# Altium PCB work.PcbDoc
Units mil, origin at the board's own origin, x right, y up, seen from the top; angles counter-clockwise.
Board outline 1811.02 x 3858.12 mil, 2 copper layers (Top Layer, Bottom Layer); 92 components, 86 nets, 316 pads, 143 vias.
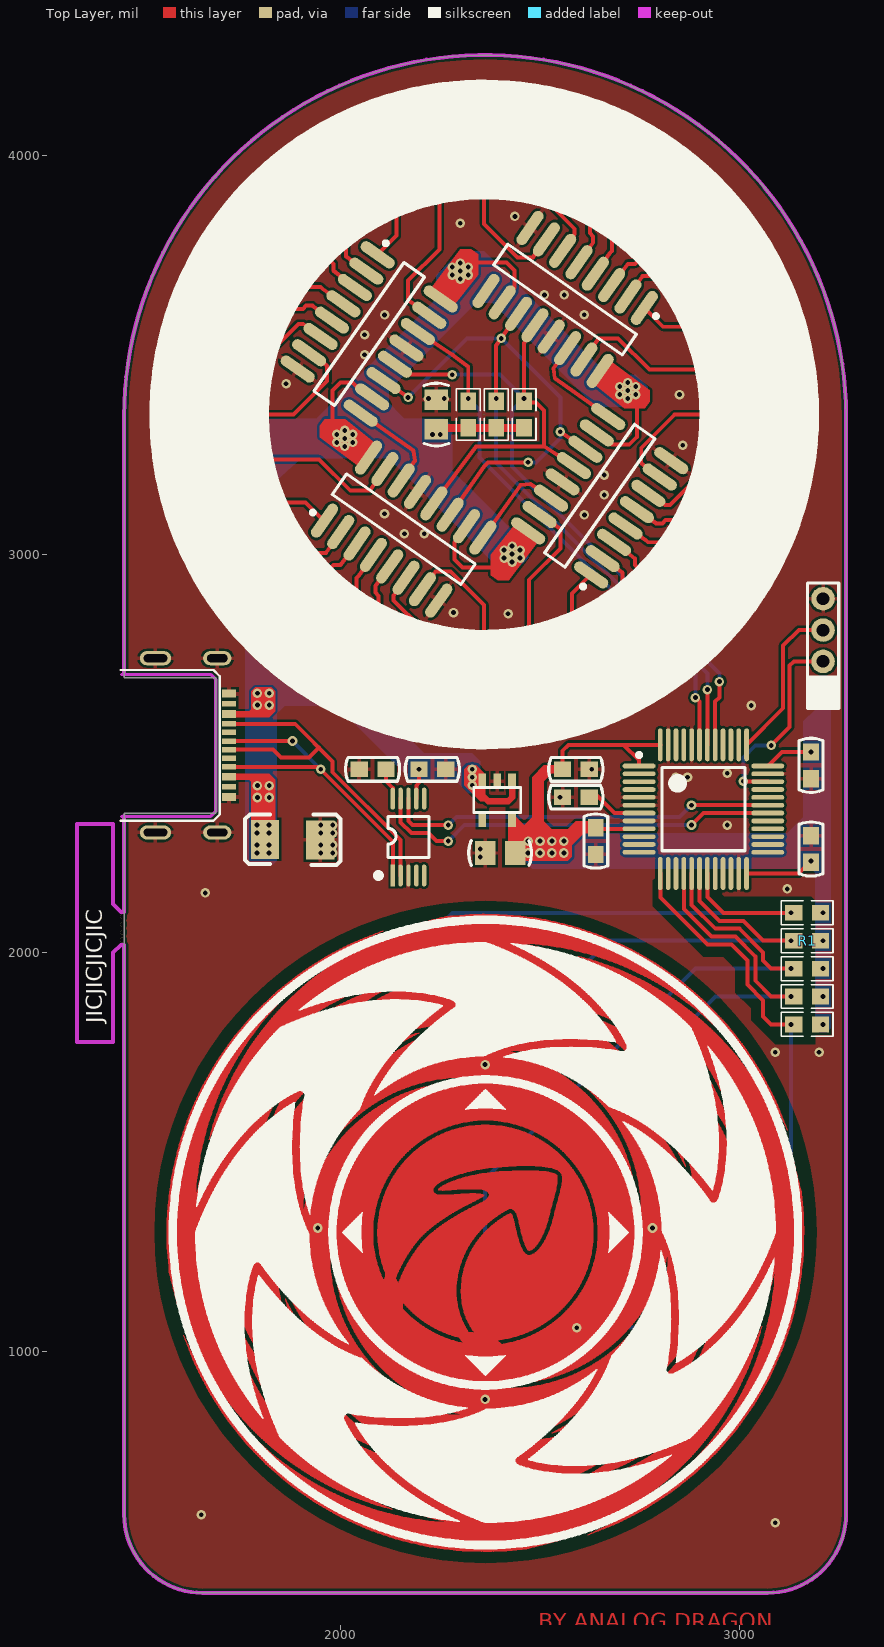
[diagram p0: Top Layer view]
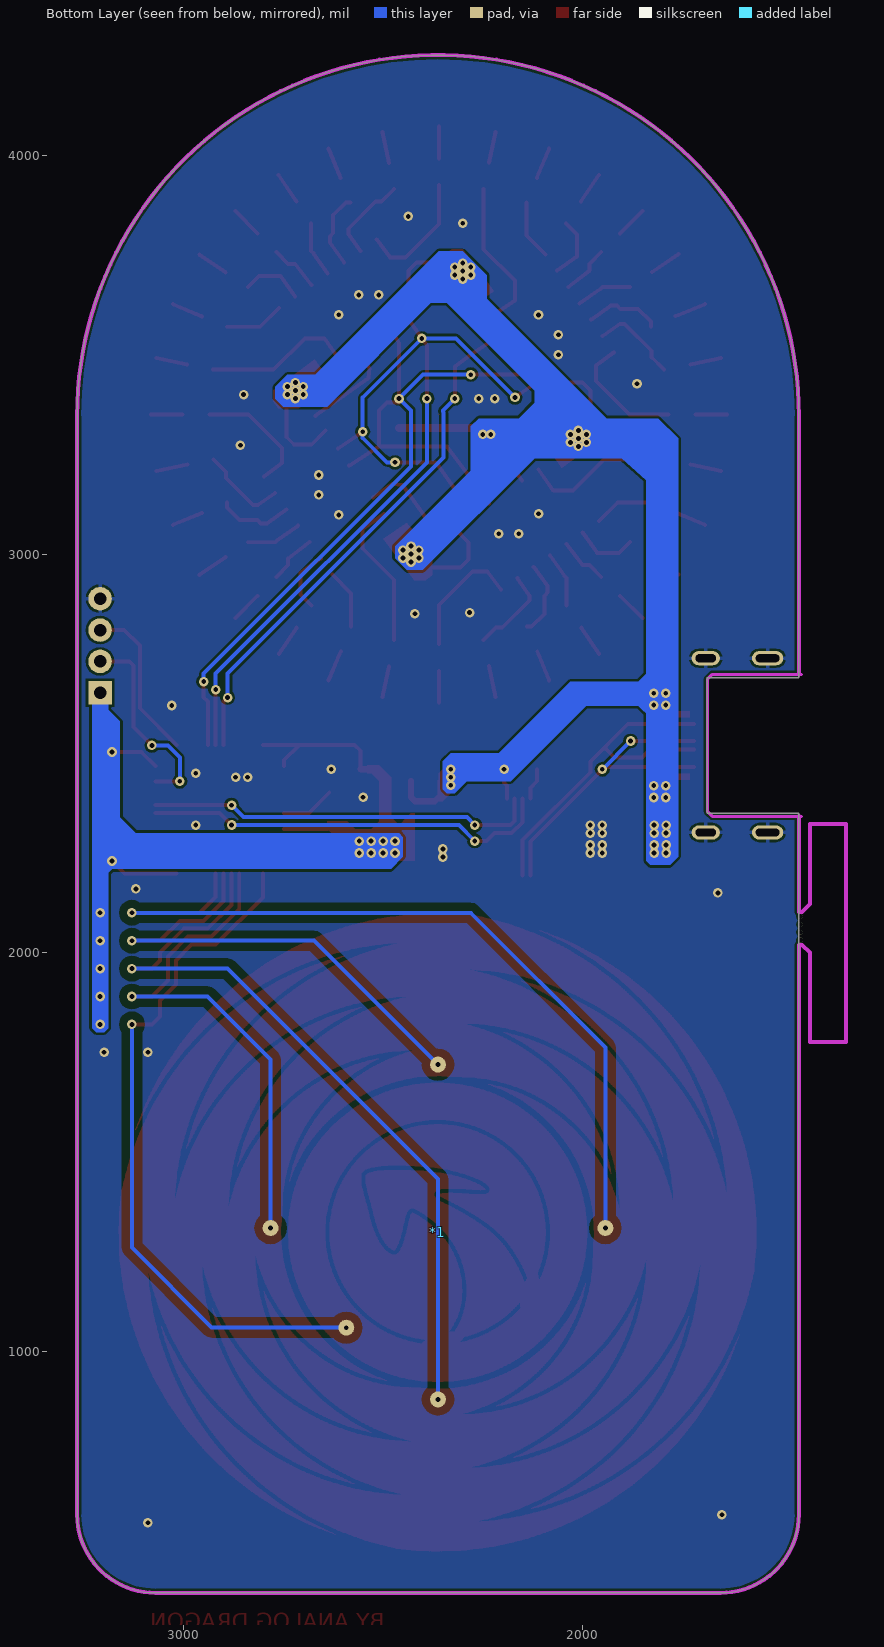
[diagram p1: Bottom Layer view, seen from below]

## Layer stack, top to bottom
Top Layer: signal copper 1.4
Dielectric: dielectric 12.6, FR-4, Dk 4.8
Bottom Layer: signal copper 1.4

## Board outline
1456.69,590.55 1456.69,2350 1686.54,2350 1686.54,2690 1456.69,2690 1456.69,3346.46 cw(c2362.2,3346.46) 3267.72,3346.46 3267.72,590.55 cw(c3070.87,590.55) 3070.87,393.7 1653.54,393.7 cw(c1653.54,590.55)

## Design rules (kind name [scope] priority, off if disabled: settings)
Clearance Clearance_1 [All] p1 off: gap=20
Clearance [All] p2: gap=6
ComponentClearance [All] p1 off: gap=10 collisioncheckmode=3 verticalgap=10 showdistances=FALSE
Height [All] p1 off: minheight=0 maxheight=1000 prefheight=500
PolygonConnect PolygonConnect_1 [IsVia] p1: connectstyle=Direct reliefconductorwidth=10 reliefentries=4 polygonreliefangle="90 Angle" airgapwidth=10
PolygonConnect [All] p2: connectstyle=Relief reliefconductorwidth=10 reliefentries=4 polygonreliefangle="90 Angle" airgapwidth=6
RoomDefinition work [InComponentClass('work')] p1: confinementstyle=ConfineIn formatcopy=TRUE lockcomponents=FALSE outline 1433.07,377.95 3283.46,377.95 3283.46,4271.65 1433.07,4271.65
RoutingVias [All] p1: holewidth=28 width=50 viastyle="Through Hole" minholewidth=28 minwidth=50 maxholewidth=28 maxwidth=50
SolderMaskExpansion [All] p1: expansion=4
Width [All] p1: maxlimit=100 minlimit=1 preferedwidth=10
26 further rules are at their usual default settings.

## Classes and differential pairs
component class work: C1 C2 C3 C4 C5 C6 C7 C8 C9 C10 D5 D6 D7 D8 D9 D10 D11 D12 D13 D14 D15 D16 D17 D18 D19 D20 D21 D22 D23 D24 D25 D26 D27 D28 J1 R1 R2 R3 R4 R5 R6 R7 R8 R9 R10 R11 R12 R13 R14 R15 R16 R17 R18 R19 R20 R21 R22 R23 R24 R25 R26 R27 R28 R29 R30 R31 R32 R33 R34 R35 R36 R37 R38 R39 R40 U1 U2 U3 USB1

## Components (designator, comment, footprint, x,y, rotation, side; value= is the part's Value field where it differs from the comment)
*1 "TouchPad-R" TouchPad-R 2362.2,1299.21 r0 top
C1 "Cap" C-RAD-0603 2590,2390 r0 top
C2 "Cap" C-RAD-0603 2080,2460 r0 top
C3 "Cap" C-RAD-0603 2230,2460 r180 top
C4 "Cap" C-RAD-0603 2590,2460 r180 top
C5 "Cap" C-RAD-0603 3180,2260 r270 top
C6 "Cap" C-RAD-0603 2640,2280 r90 top
C7 "Cap" C-RAD-0603 3180,2470 r90 top
C8 "Cap" C-RAD-3528 1880,2280 r0 top
C9 "Cap" C-RAD-0805 2400,2250 r0 top
C11 "Cap" C-RAD-0805 2240,3350 r270 top
D1 "" "LED 0805W" 2360,4110 r90 top
D2 "" "LED 0805W" 2509,4095 r78.75 top
D3 "" "LED 0805W" 2651,4052 r67.5 top
D4 "" "LED 0805W" 2783,3982 r56.25 top
D5 "" "LED 0805W" 2897,3887 r45 top
D6 "" "LED 0805W" 2992,3772 r33.75 top
D7 "" "LED 0805W" 3062,3641 r22.5 top
D8 "" "LED 0805W" 3105,3499 r11.25 top
D9 "" "LED 0805W" 3120,3350 r0 top
D10 "" "LED 0805W" 3105,3202 r348.75 top
D11 "" "LED 0805W" 3062,3060 r337.5 top
D12 "" "LED 0805W" 2993,2928 r326.25 top
D13 "" "LED 0805W" 2897,2813 r315 top
D14 "" "LED 0805W" 2782,2719 r303.75 top
D15 "" "LED 0805W" 2651,2648 r292.5 top
D16 "" "LED 0805W" 2508,2605 r281.25 top
D17 "" "LED 0805W" 2360,2590 r270 top
D18 "" "LED 0805W" 2212,2605 r258.75 top
D19 "" "LED 0805W" 2069,2648 r247.5 top
D20 "" "LED 0805W" 1938,2718 r236.25 top
D21 "" "LED 0805W" 1823,2813 r225 top
D22 "" "LED 0805W" 1728,2928 r213.75 top
D23 "" "LED 0805W" 1658,3059 r202.5 top
D24 "" "LED 0805W" 1615,3202 r191.25 top
D25 "" "LED 0805W" 1600,3350 r180 top
D26 "" "LED 0805W" 1615,3498 r168.75 top
D27 "" "LED 0805W" 1657,3641 r157.5 top
D28 "" "LED 0805W" 1728,3772 r146.25 top
D29 "" "LED 0805W" 1822,3888 r135 top
D30 "" "LED 0805W" 1938,3982 r123.75 top
D31 "" "LED 0805W" 2069,4052 r112.5 top
D32 "" "LED 0805W" 2212,4096 r101.25 top
J1 "HDR-1X4" HDR2.0-LI-4P 3210,2770 r90 top
R1 "Res1" 0603-1 3170,2030 r180 top
R2 "Res1" 0603-1 3170,1890 r180 top
R3 "Res1" 0603-1 3170,1960 r180 top
R4 "Res1" 0603-1 3170,2100 r180 top
R5 "Res1" 0603-1 3170,1820 r180 top
R6 "Res1" 0603-1 2360,3959 r270 top
R7 "Res1" 0603-1 2479,3948 r258.75 top
R8 "Res1" 0603-1 2594,3913 r247.5 top
R9 "Res1" 0603-1 2699,3857 r236.25 top
R10 "Res1" 0603-1 2791,3781 r225 top
R11 "Res1" 0603-1 2867,3688 r213.75 top
R12 "Res1" 0603-1 2923,3583 r202.5 top
R13 "Res1" 0603-1 2959,3469 r191.25 top
R14 "Res1" 0603-1 2970,3350 r180 top
R15 "Res1" 0603-1 2958,3230 r168.75 top
R16 "Res1" 0603-1 2923,3116 r157.5 top
R17 "Res1" 0603-1 2867,3011 r146.25 top
R18 "Res1" 0603-1 2792,2919 r135 top
R19 "Res1" 0603-1 2699,2843 r123.75 top
R20 "Res1" 0603-1 2593,2786 r112.5 top
R21 "Res1" 0603-1 2479,2752 r101.25 top
R22 "Res1" 0603-1 2360,2740 r90 top
R23 "Res1" 0603-1 2241,2752 r78.75 top
R24 "Res1" 0603-1 2127,2787 r67.5 top
R25 "Res1" 0603-1 2021,2843 r56.25 top
R26 "Res1" 0603-1 1929,2919 r45 top
R27 "Res1" 0603-1 1853,3011 r33.75 top
R28 "Res1" 0603-1 1796,3117 r22.5 top
R29 "Res1" 0603-1 1761,3231 r11.25 top
R30 "Res1" 0603-1 1750,3350 r0 top
R31 "Res1" 0603-1 1761,3469 r348.75 top
R32 "Res1" 0603-1 1797,3584 r337.5 top
R33 "Res1" 0603-1 1853,3689 r326.25 top
R34 "Res1" 0603-1 1929,3782 r315 top
R35 "Res1" 0603-1 2021,3857 r303.75 top
R36 "Res1" 0603-1 2390,3350 r270 top
R37 "Res1" 0603-1 2460,3350 r270 top
R38 "Res1" 0603-1 2320,3350 r270 top
R39 "Res1" 0603-1 2126,3913 r292.5 top
R40 "Res1" 0603-1 2241,3948 r281.25 top
U1 "STM32F103C" LQFP-48_M 2910,2360 r0 top
U2 "CH340E" MSOP10_M 2170,2290 r0 top
U3 "ldo3.3v" SOT23-5 2430,2430 r270 top
U4 "74HC595" NSO16_M 2071.54,3551.98 r325 top
U5 "74HC595" NSO16_M 2157.85,3062.53 r55 top
U6 "74HC595" NSO16_M 2649.79,3146.23 r145 top
U7 "74HC595" NSO16_M 2562.96,3638.63 r235 top
USB1 "TYPE-C" TYPE-C 1720,2390 r90 top

## Footprints (in the part's own frame and the unit in brackets; to place one, negate y for a bottom-side part, rotate by r counter-clockwise, add the part's x,y. Pads: shape width x height; smd on the part's side, far side on the other; paste and mask are expansions set on the pad)
0603-1 [mm] "贴片带丝印"
  rect 1.1x1 smd: 1(-0.85,0) 2(0.85,0)
  silkscreen extent -1.65,-0.76 1.65,0.76, body extent -1.14,-0.38 1.14,0.38, height 1
C-RAD-0603 [mm] "贴片电容"
  rect 1.1x1 smd: 1(-0.85,0) 2(0.85,0)
  silkscreen extent -1.73,-0.76 1.73,0.76, body extent -1.14,-0.38 1.14,0.38, height 1
C-RAD-0805 [mm] "贴片电容"
  rect 1.3x1.5 smd: 1(-0.95,0) 2(0.95,0)
  silkscreen extent -2,-0.79 2,0.79, body extent -1.27,-0.64 1.27,0.64, height 0.9
C-RAD-3528 [mm] "贴片电容"
  rect 1.8x2.5 smd: 1(1.753,0.075) 2(-1.772,0.1)
  silkscreen extent -3.05,-1.52 3.05,1.7
HDR2.0-LI-4P [mm] "直插，脚距：2.0mm"
  rect 1.5x1.5 hole 0.8: 1(-3,0)
  round 1.5 hole 0.8: 2(-1,0) 3(1,0) 4(3,0)
  silkscreen extent -4,-1 4,1, body extent -4,-1 4,1, height 6.5
"LED 0805W" [mil] "白色0805LED"
  rect 35x50 smd: 1(-37.4,0)
  oct 35x50 smd: 2(37.4,0)
  silkscreen extent -64,-33 75,33, body extent -39,-25 39,25, height 32
LQFP-48_M [mm] "Thin QFP, 48-Leads, Body 7x7mm, Pitch 0.5mm, IPC Low Density"
  oval 2.1x0.3 smd: 1(-4.1,2.75) 2(-4.1,2.25) 3(-4.1,1.75) 4(-4.1,1.25) 5(-4.1,0.75) 6(-4.1,0.25) 7(-4.1,-0.25) 8(-4.1,-0.75) 9(-4.1,-1.25) 10(-4.1,-1.75) 11(-4.1,-2.25) 12(-4.1,-2.75) 25(4.1,-2.75) 26(4.1,-2.25) 27(4.1,-1.75) 28(4.1,-1.25) 29(4.1,-0.75) 30(4.1,-0.25) 31(4.1,0.25) 32(4.1,0.75) 33(4.1,1.25) 34(4.1,1.75) 35(4.1,2.25) 36(4.1,2.75)
  oval 0.3x2.1 smd: 13(-2.75,-4.1) 14(-2.25,-4.1) 15(-1.75,-4.1) 16(-1.25,-4.1) 17(-0.75,-4.1) 18(-0.25,-4.1) 19(0.25,-4.1) 20(0.75,-4.1) 21(1.25,-4.1) 22(1.75,-4.1) 23(2.25,-4.1) 24(2.75,-4.1) 37(2.75,4.1) 38(2.25,4.1) 39(1.75,4.1) 40(1.25,4.1) 41(0.75,4.1) 42(0.25,4.1) 43(-0.25,4.1) 44(-0.75,4.1) 45(-1.25,4.1) 46(-1.75,4.1) 47(-2.25,4.1) 48(-2.75,4.1)
  silkscreen extent -4.22,-2.65 2.65,3.57, body extent -3.5,-3.5 3.5,3.5, height 1.6
MSOP10_M [mm] "塑封体长3mm，宽3mm，脚距0.5"
  rect 0.28x1.4 smd: 1(-1,-2.45)
  oval 0.28x1.4 smd: 2(-0.5,-2.45) 3(0,-2.45) 4(0.5,-2.45) 5(1,-2.45) 6(1,2.45) 7(0.5,2.45) 8(0,2.45) 9(-0.5,2.45) 10(-1,2.45)
  silkscreen extent -2.07,-2.6 1.3,1.3, body extent -1.5,-2.45 1.5,2.45, height 0.95
NSO16_M [mm] "SOIC, 16-Leads, Body 9.9x3.9mm, Pitch 1.27mm, IPC Low Density"
  oval 2.5x0.7 smd: 1(-2.45,4.445) 2(-2.45,3.175) 3(-2.45,1.905) 4(-2.45,0.635) 5(-2.45,-0.635) 6(-2.45,-1.905) 7(-2.45,-3.175) 8(-2.45,-4.445) 9(2.45,-4.445) 10(2.45,-3.175) 11(2.45,-1.905) 12(2.45,-0.635) 13(2.45,0.635) 14(2.45,1.905) 15(2.45,3.175) 16(2.45,4.445)
  silkscreen extent -2.57,-5 0.8,5.47, body extent -2,-5 2,5, height 1.75
SOT23-5 [mm]
  rect 1x0.5 smd: 1(0,0) 2(0,-0.95) 3(0,-1.9) 4(2.4,-1.9) 5(2.4,0)
  silkscreen extent 0.4,-2.45 2,0.55, body extent -0.2,-2.4 2.6,0.5, height 1.09
TouchPad-R [mil] "环形触摸板"
  round 40 smd far side: 1(0,420) 2(420,10) 3(0,-420) 4(-420,10) 5(230,-240)
  Top Layer drawing of 15535 lines, arcs and shapes, not listed
  silkscreen extent -793,-794 795,793
TYPE-C [mm]
  rect 0.35x0.9 smd: CC1(4.129,0) CC2(0.654,0) D+1(3.579,0) D+2(1.929,0) D-1(4.679,0) D-2(3.029,0) SBU1(2.479,0) SBU2(5.954,0)
  oval 0.9x2 hole 0.5 slot 1.5 at 90 deg: GND(-2.246,4.69) GND(8.854,4.69)
  oval 0.9x1.8 hole 0.5 slot 1.3 at 90 deg: GND(-2.246,0.75) GND(8.854,0.75)
  rect 0.5x0.9 smd: GND(0.004,0) GND(6.604,0) VBUS(1.304,0) VBUS(5.304,0)
  Keep-Out Layer lines w0.2: -1.221,6.85 -1.221,1.175 -0.896,0.85 5.904,0.85 7.504,0.85 7.829,1.175 7.829,6.85
  silkscreen extent -1.5,0.6 8.1,6.9

## Part data
C1 C2 C3 C4 C5 C6 C7 C8 C9 C11: "无极性电容"
D1 D2 D3 D4 D5 D6 D7 D8 D9 D10 D11 D12 D13 D14 D15 D16 D17 D18 D19 D20 D21 D22 D23 D24 D25 D26 D27 D28 D29 D30 D31 D32: library part LED-SMD, "贴片LED"
J1: library part "Header 4", "4P接插件"
R1 R2 R3 R4 R5 R6 R7 R8 R9 R10 R11 R12 R13 R14 R15 R16 R17 R18 R19 R20 R21 R22 R23 R24 R25 R26 R27 R28 R29 R30 R31 R32 R33 R34 R35 R36 R37 R38 R39 R40: "贴片电阻"
U1: "STM32单片机48引脚"
U3: library part Component_1
U4 U5 U6 U7: "移位寄存器"
USB1: library part USB-C

## Via types
v1: diameter 24, hole 12, Top Layer to Bottom Layer, 138 vias
v2: diameter 12, hole 12, Top Layer to Bottom Layer, 4 vias
v3: diameter 2, hole 2, Top Layer to Bottom Layer, 1 vias

## Nets (pads, with @x,y where several pads share a name; then routed paths per layer and width w, separated by ;. In a path a pad name is that pad's centre, name@x,y a point inside that pad or via, vN(x,y) a via of type N, cw(c..) or ccw(c..) an arc to the next point about the centre after c; other vN are vias at no path point)
CENTER: *1.5 R5.2 U1.13 | length 1759.6
  Top Layer w10: U1.13 2801.73,2138.27 2920,2020 2980,2020 3020,1980 3020,1920 3060,1880 3060,1840 3080,1820 v1(3130,1820)
  Bottom Layer w10: *1.5@2592.2,1060 2930,1060 3130,1260 v1(3130,1820)
  other v1: 2592.2,1059.21
CLK: J1.3 U1.37 | length 402.9
  Top Layer w10: U1.37 3110,2613.15 3110,2770 3149.37,2809.37 J1.3
CS: R37.1 U1.41 U4.12 U5.12 U6.12 U7.12 | length 2237.3
  Top Layer w10: U4.12 2162.39,3450 v1(2280,3450) ; U5.12 2340,3270 2510,3270 ; R37.1@2460,3380 2490,3380 2510,3360 2510,3270 ; v1(2460,3390) 2460,3530 U7.12 ; U6.12 2510,3270 ; U1.41 2939.53,2629.53 2950,2640 v1(2950,2680)
  Bottom Layer w10: v1(2280,3450) 2400,3450 v1(2460,3390) 2430,3360 2430,3220 2900,2750 2950,2700 v1(2950,2680)
D+: U2.1 USB1.D+1 USB1.D+2 | length 833.1
  Top Layer w10: USB1.D+2 1944.05,2465.95 v1(1950,2460) 2130.63,2279.37 U2.1 ; USB1.D+1 v1(1879.09,2530.91)
  Bottom Layer w10: v1(1879.09,2530.91) v1(1950,2460)
D-: U2.2 USB1.D-1 USB1.D-2 | length 899.4
  Top Layer w10: USB1.D-2 1830.75,2509.25 1850,2490 1920,2490 1945,2515 ; USB1.D-1 1885.79,2574.21 1980,2480 1980,2452.63 2150.32,2282.31 U2.2
DAT: R38.1 U1.43 U4.14 | length 1344.7
  Top Layer w10: U4.14 2280,3500 2320,3470 v1(2320,3390) ; v1(2890,2640) 2900,2630 2900,2620 2900.16,2619.84 U1.43
  Bottom Layer w10: v1(2320,3390) 2350,3360 2350,3356.97 2348,3354.97 2348,3242 2880,2710 2890,2700 v1(2890,2640)
DIO: J1.2 U1.34 | length 511.8
  Top Layer w10: v1(3010,2430) 3011.1,2428.9 U1.34 ; v1(3080,2520) 3126,2566 3126,2720 3136.63,2730.63 J1.2
  Bottom Layer w10: v1(3010,2430) 3010,2490 3040,2520 v1(3080,2520)
DOWN: *1.3 R3.2 U1.17 | length 1945.8
  Top Layer w10: U1.17 2880.47,2119.53 2940,2060 3000,2060 3060,2000 3060,1980 3080,1960 v1(3130,1960)
  Bottom Layer w10: v1(2362.2,879.21) 2362.2,1432.2 2890,1960 v1(3130,1960)
GND: C1.1 C2.1 C3.1 C4.1 C5.1 C6.1 C7.1 C8.1 C9.1 C11.1 D1.2 D2.2 D3.2 D4.2 D5.2 D6.2 D7.2 D8.2 D9.2 D10.2 D11.2 D12.2 D13.2 D14.2 D15.2 D16.2 D17.2 D18.2 D19.2 D20.2 D21.2 D22.2 D23.2 D24.2 D25.2 D26.2 D27.2 D28.2 D29.2 D30.2 D31.2 D32.2 J1.4 U1.5 U1.6 U1.8 U1.23 U1.35 U1.44 U1.47 U2.3 U3.2 U4.8 U4.13 U5.8 U5.13 U6.8 U6.13 U7.8 U7.13 USB1.GND
  other v1: 3090,570 1650,590 3090,1750 3200,1750 1660,2150 3120,2160 2350,2240 1950,2250 1980,2250 2350,2260 1950,2270 1980,2270 1950,2300 1980,2300 1950,2320 1980,2320 2970,2320 2550,2390 2840,2440 2870,2440 2970,2450 2630,2460 3030,2620 2420,2850 2283,2853 2159.83,3050.98 2209.83,3050.98 2611.33,3098.2 2109.83,3100.98 2661.33,3148.2 2661.33,3198.2 2858,3273 2220,3390 2260,3390 2850,3400 1863,3427 2060,3500 2060,3550 2110,3600 2610.98,3600.17 2510.98,3650.17 2560.98,3650.17 2300,3830 2437,3847
  other v3: 2360,3350
LED1: R6.2 U7.7 | length 310.9
  Top Layer w10: R6.2 2360,3828 2444,3744 2482,3744 U7.7
LED2: R7.2 U7.6 | length 220.4
  Top Layer w10: R7.2 2503.65,3884 2519,3884 2587,3816 2587,3804 U7.6
LED3: R8.2 U7.5 | length 189.8
  Top Layer w10: R8.2 2592.92,3882.08 2625,3850 2625,3805 2633,3797 2633,3781 U7.5
LED4: R9.2 U7.4 | length 139.5
  Top Layer w10: U7.4 2675,3755 2680.41,3760.41 R9.2
LED5: R10.2 U7.3 | length 126
  Top Layer w10: U7.3 2721,3728 2738,3728 R10.2
LED6: R11.2 U7.2 | length 156.3
  Top Layer w10: U7.2 2757,3697 2811.58,3697 R11.2
LED7: R12.2 U7.1 | length 149.9
  Top Layer w10: U7.1 2808.71,3570.19 R12.2
LED8: R13.2 U7.15 | length 376.4
  Top Layer w10: U7.15 2647,3541 2696,3541 2774.53,3462.47 R13.2
LED9: R14.2 U6.7 | length 310.9
  Top Layer w10: U6.7@2799.34,3194.11 2754,3228 2754,3266 2838,3350 R14.2@2935.54,3350
LED10: R15.2 U6.6 | length 220.4
  Top Layer w10: U6.6@2770.66,3153.15 2814,3123 2826,3123 2894,3191 2894,3206.35 R15.2@2925.18,3237.53
LED11: R16.2 U6.5 | length 189.8
  Top Layer w10: U6.5@2741.98,3112.19 2791,3077 2807,3077 2815,3085 2860,3085 2892.08,3117.08 R16.2
LED12: R17.2 U6.4 | length 139.5
  Top Layer w10: U6.4@2713.3,3071.23 2765,3035 2770.41,3029.59 R17.2
LED13: R18.2 U6.3 | length 126
  Top Layer w10: U6.3@2684.62,3030.27 2738,2989 2738,2972 R18.2@2767.34,2942.66
LED14: R19.2 U6.2 | length 156.3
  Top Layer w10: U6.2@2655.94,2989.32 2707,2953 2707,2898.42 R19.2@2679.41,2870.82
LED15: R20.2 U6.1 | length 149.9
  Top Layer w10: R20.2@2580.19,2817.92 2580.19,2901.29 U6.1@2627.27,2948.36
LED16: R21.2 U6.15 | length 376.4
  Top Layer w10: R21.2@2472.47,2783.82 2472.47,2935.47 2551,3014 2551,3063 U6.15@2497.92,3099.97
LED17: R22.2 U5.7 | length 310.9
  Top Layer w10: U5.7@2204.11,2910.66 2238,2956 2276,2956 2360,2872 R22.2@2360,2774.46
LED18: R23.2 U5.6 | length 220.4
  Top Layer w10: U5.6@2163.15,2939.34 2133,2896 2133,2884 2201,2816 2216.35,2816 R23.2
LED19: R24.2 U5.5 | length 189.8
  Top Layer w10: U5.5@2122.19,2968.02 2087,2919 2087,2903 2095,2895 2095,2850 2127.08,2817.92 R24.2@2138.81,2817.92
LED20: R25.2 U5.4 | length 139.5
  Top Layer w10: R25.2 2039.59,2939.59 2045,2945 U5.4@2081.23,2996.7
LED21: R26.2 U5.3 | length 126
  Top Layer w10: R26.2 1982,2972 1999,2972 U5.3@2040.27,3025.38
LED22: R27.2 U5.2 | length 156.3
  Top Layer w10: R27.2@1880.82,3030.59 1908.42,3003 1963,3003 U5.2@1999.32,3054.06
LED23: R28.2 U5.1 | length 149.9
  Top Layer w10: R28.2@1827.92,3129.81 1911.29,3129.81 U5.1@1958.36,3082.73
LED24: R29.2 U5.15 | length 376.4
  Top Layer w10: R29.2 1945.47,3237.53 2024,3159 2073,3159 U5.15@2109.97,3212.08
LED25: R30.2 U4.7 | length 310.9
  Top Layer w10: R30.2@1784.46,3350 1882,3350 1966,3434 1966,3472 U4.7@1920.66,3505.89
LED26: R31.2 U4.6 | length 220.4
  Top Layer w10: R31.2@1794.82,3462.47 1826,3493.65 1826,3509 1894,3577 1906,3577 U4.6@1949.34,3546.85
LED27: R32.2 U4.5 | length 189.8
  Top Layer w10: R32.2 1827.92,3582.92 1860,3615 1905,3615 1913,3623 1929,3623 U4.5@1978.02,3587.81
LED28: R33.2 U4.4 | length 139.5
  Top Layer w10: R33.2 1949.59,3670.41 1955,3665 U4.4@2006.7,3628.77
LED29: R34.2 U4.3 | length 126
  Top Layer w10: R34.2@1952.66,3757.34 1982,3728 1982,3711 U4.3@2035.38,3669.73
LED30: R35.2 U4.2 | length 156.3
  Top Layer w10: R35.2@2040.59,3829.18 2013,3801.58 2013,3747 U4.2@2064.06,3710.68
LED31: R39.2 U4.1 | length 149.9
  Top Layer w10: U4.1@2092.73,3751.64 2139.81,3798.71 R39.2@2139.81,3882.08
LED32: R40.2 U4.15 | length 376.4
  Top Layer w10: U4.15@2222.08,3600.03 2169,3637 2169,3686 2247.53,3764.53 R40.2@2247.53,3916.18
LEFT: *1.4 R4.2 U1.19 | length 2072.5
  Top Layer w10: U1.19 2919.84,2140.16 2960,2100 v1(3130,2100) R4.2
  Bottom Layer w10: v1(1942.2,1309.21) 1942.2,1762.2 2280,2100 v1(3130,2100)
NetC2_2: C2.2 U2.10 | length 80.7
  Top Layer w10: C2.2 2113.46,2430 2130.63,2412.83 U2.10
NetD1_1: D1.1 R6.1 | length 80.1
  Top Layer w10: R6.1 D1.1
NetD2_1: D2.1 R7.1 | length 79.2
  Top Layer w10: R7.1 D2.1
NetD3_1: D3.1 R8.1 | length 79.4
  Top Layer w10: R8.1 D3.1
NetD4_1: D4.1 R9.1 | length 79.7
  Top Layer w10: R9.1 D4.1
NetD5_1: D5.1 R10.1 | length 79
  Top Layer w10: R10.1 D5.1
NetD6_1: D6.1 R11.1 | length 79.7
  Top Layer w10: R11.1 D6.1
NetD7_1: D7.1 R12.1 | length 79.8
  Top Layer w10: R12.1 D7.1
NetD8_1: D8.1 R13.1 | length 78.2
  Top Layer w10: R13.1 D8.1
NetD9_1: D9.1 R14.1 | length 79.1
  Top Layer w10: R14.1 D9.1
NetD10_1: D10.1 R15.1 | length 79.2
  Top Layer w10: R15.1@2990.82,3224.47 D10.1@3068.32,3208.3
NetD11_1: D11.1 R16.1 | length 79.4
  Top Layer w10: R16.1 D11.1@3027.45,3073.31
NetD12_1: D12.1 R17.1 | length 79.7
  Top Layer w10: R17.1 D12.1@2960.9,2947.78
NetD13_1: D13.1 R18.1 | length 79
  Top Layer w10: R18.1@2814.66,2895.34 D13.1
NetD14_1: D14.1 R19.1 | length 79.7
  Top Layer w10: R19.1@2716.59,2815.18 D14.1@2761.22,2749.1
NetD15_1: D15.1 R20.1 | length 79.8
  Top Layer w10: R20.1@2605.81,2756.08 D15.1
NetD16_1: D16.1 R21.1 | length 78.2
  Top Layer w10: R21.1@2485.53,2718.18 D16.1@2501.7,2641.68
NetD17_1: D17.1 R22.1 | length 79.1
  Top Layer w10: D17.1 R22.1
NetD18_1: D18.1 R23.1 | length 79.2
  Top Layer w10: D18.1@2218.3,2641.68 R23.1
NetD19_1: D19.1 R24.1 | length 79.4
  Top Layer w10: D19.1 R24.1@2113.19,2756.08
NetD20_1: D20.1 R25.1 | length 79.7
  Top Layer w10: D20.1@1957.78,2749.1 R25.1
NetD21_1: D21.1 R26.1 | length 79
  Top Layer w10: D21.1 R26.1
NetD22_1: D22.1 R27.1 | length 79.7
  Top Layer w10: D22.1 R27.1@1825.18,2993.41
NetD23_1: D23.1 R28.1 | length 79.8
  Top Layer w10: D23.1 R28.1@1766.08,3104.19
NetD24_1: D24.1 R29.1 | length 78.2
  Top Layer w10: D24.1@1651.68,3208.3 R29.1
NetD25_1: D25.1 R30.1 | length 79.1
  Top Layer w10: D25.1 R30.1
NetD26_1: D26.1 R31.1 | length 79.2
  Top Layer w10: D26.1@1651.68,3491.7 R31.1@1729.18,3475.53
NetD27_1: D27.1 R32.1 | length 79.4
  Top Layer w10: D27.1@1692.55,3626.69 R32.1
NetD28_1: D28.1 R33.1 | length 79.7
  Top Layer w10: D28.1@1759.1,3752.22 R33.1
NetD29_1: D29.1 R34.1 | length 79
  Top Layer w10: D29.1@1849.45,3860.55 R34.1@1905.34,3804.66
NetD30_1: D30.1 R35.1 | length 79.7
  Top Layer w10: D30.1 R35.1@2003.41,3884.82
NetD31_1: D31.1 R39.1 | length 79.8
  Top Layer w10: D31.1 R39.1@2114.19,3943.92
NetD32_1: D32.1 R40.1 | length 78.2
  Top Layer w10: D32.1@2218.3,4058.32 R40.1@2234.47,3981.82
NetU4_9: U4.9 U5.14 | length 248.2
  Top Layer w10: U4.9 2183,3259 2186,3234 U5.14
NetU5_9: U5.9 U6.14 | length 248.2
  Top Layer w10: U5.9@2356.7,3040.18 2451,3173 2476,3176 U6.14@2525.44,3141.74
NetU6_9: U6.9 U7.14 | length 248.2
  Top Layer w10: U7.14@2568.26,3515.44 2534,3466 2537,3441 U6.9@2669.82,3346.7
NRST: C1.2 U1.7 | length 134.9
  Top Layer w10: C1.2@2635,2401.54 2686.38,2350.16 U1.7
RIGHT: *1.2 R2.2 U1.16 | length 1320.7
  Top Layer w10: U1.16 2860.79,2109.21 2930,2040 2990,2040 3040,1990 3040,1930 3080,1890 v1(3130,1890)
  Bottom Layer w10: v1(2782.2,1309.21) 2782.2,1732.2 2940,1890 v1(3130,1890)
RXD: U1.31 U2.8 | length 982.7
  Top Layer w10: U2.8 2170,2330 2180,2320 v1(2270,2320) ; v1@2880,2369.84 U1.31
  Bottom Layer w10: v1(2270,2320) 2290,2340 2850,2340 v1(2880,2370)
SCL: R36.1 U1.42 U4.11 U5.11 U6.11 U7.11 | length 2443.3
  Top Layer w10: U4.11 v1(2169,3393) ; U5.11 2360,3220 2370,3230 v1(2470,3230) ; U5.11@2274.78,3097.54 U5.11@2275.19,3098.13 ; v1(2390,3390) 2390,3523.59 v1(2403,3541) U7.11@2445.22,3602.46 ; v1(2551,3307) U6.11@2612.46,3264.78 ; U1.42 v1(2919.84,2660)
  Bottom Layer w10: v1(2169,3393) 2317,3541 v1(2403,3541) 2551,3393 v1(2551,3307) 2551,3291 2490,3230 v1(2470,3230) ; v1(2390,3390) 2390,3230 2890,2730 2919.84,2700.16 v1(2919.84,2660)
TXD: U1.30 U2.9 | length 1029.2
  Top Layer w10: U2.9 2150.31,2327.06 2177.37,2300 2220,2300 2240,2280 v1(2270,2280) ; v1(2880,2320.32) 2909.84,2350.16 U1.30
  Bottom Layer w10: v1(2270,2280) 2310,2320 2880,2320 v1(2880,2320.32)
UP: *1.1 R1.2 U1.18 | length 1236.5
  Top Layer w10: U1.18 2900.16,2129.84 2950,2080 3010,2080 3060,2030 v1(3130,2030)
  Bottom Layer w10: v1(2362.2,1719.21) 2672.99,2030 v1(3130,2030)
VBUS: C3.2 C8.2 C11.2 R36.2 R37.2 R38.2 U2.7 U3.1 U3.3 U4.10 U4.16 U5.10 U5.16 U6.10 U6.16 U7.10 U7.16 USB1.VBUS | length 1467.9
  Top Layer w10: 1980,3330 1980,3410 2000,3430 2030,3430 2065.74,3394.26 U4.10 ; U2.7 2189.68,2419.68 2196.54,2426.54 v1(2196.54,2460) ; U5.10@2321.1,3065.21 2285.36,3029.47 2285.36,2986.35 2305.36,2966.35 2385.36,2966.35 ; 2335.97,3731.86 2415.97,3731.86 2435.97,3711.86 2435.97,3668.74 U7.10@2400.23,3633 ; U6.10@2643.98,3309.94 2679.72,3274.2 2722.84,3274.2 2742.84,3294.2 2742.84,3374.2
  Top Layer w16: U3.3 2355.2,2394.8 2370,2380 2420,2380 2430,2390 U3.1
  Top Layer w20: C11.2 2243.94,3316.54 R38.2 R36.2 R37.2
  Bottom Layer w16: v1(1821,2419.16) v1(1821,2621)
  other v1: 1790,2250 1820,2250 1790,2270 1820,2270 1790,2300 1820,2300 1790,2320 1820,2320 1791,2389.16 1821,2389.16 1791,2419.16 2330,2420 2330,2440 2330,2460 1791,2621 1791,2651 1821,2651 2430,2980 2410,2990 2450,2990 2430,3000 2410,3010 2450,3010 2430,3020 2010,3270 1990,3280 2030,3280 2010,3290 1990,3300 2030,3300 2230,3300 2250,3300 2010,3310 2720,3390 2700,3400 2740,3400 2720,3410 2700,3420 2740,3420 2720,3430 2300,3690 2280,3700 2320,3700 2300,3710 2280,3720 2320,3720 2300,3730
VCC3: C4.2 C5.2 C6.2 C7.2 C9.2 J1.1 R1.1 R2.1 R3.1 R4.1 R5.1 U1.1 U1.9 U1.24 U1.36 U1.48 U3.5 | length 1122.8
  Top Layer w10: C4.2 2556.54,2506.54 2571.42,2521.42 U1.48 ; C6.2@2640,2310.79 U1.9 ; 2710,2521.42 2748.58,2482.83 U1.1 ; U1.24 3148.58,2198.58 v1(3180,2230) ; U1.36 3106.61,2503.46 v1(3180,2503.46)
  Top Layer w16: U3.5 2430,2292.6 2520,2292.6 ; 2490,2292.6 2490,2430 2520,2460 C4.2
  other v1: 3210,1820 3210,1890 3210,1960 3210,2030 3210,2100 2470,2250 2500,2250 2530,2250 2560,2250 2470,2280 2500,2280 2530,2280 2560,2280
pads on no net: U1.2 U1.3 U1.4 U1.10 U1.11 U1.12 U1.14 U1.15 U1.20 U1.21 U1.22 U1.25 U1.26 U1.27 U1.28 U1.29 U1.32 U1.33 U1.38 U1.39 U1.40 U1.45 U1.46 U2.4 U2.5 U2.6 U3.4 U7.9 USB1.CC1 USB1.CC2 USB1.SBU1 USB1.SBU2
copper on no net:
  other v2: 1452.76,2031.5 1452.76,2051.18 1452.76,2070.87 1452.76,2090.55

## Polygon pours and split planes (outlines as drawn)
GND on Bottom Layer "Top Overlay-No Net" (solid, remove dead copper, pour order 6): 1900,2180 3200,2180 3240,2140 3220,2120 3220,850 3220,790 2950,520 2900,470 2160,470 2040,470 1590,920 1580,930 1580,1920
GND on Bottom Layer "Top Overlay-No Net" (solid, remove dead copper, pour order 5): 1320,4237.94 1320,261 1340,297.82 2670,297.82 3280,297.82 3290,279.41 3330,353.06 3330,4330
GND on Top Layer "Top Overlay-No Net" (solid, remove dead copper, pour order 4): 1320,4238.26 1320,275 1340,311.7 2670,311.7 3280,311.7 3290,293.35 3330,366.74 3330,4330

## Keep-outs
Keep-Out Layer:
  lines w10: 1456.69,1259.84 1456.69,2000.63 1456.69,2019.68 1448.82,2019.68 1429.13,2000 1429.13,1775.59 1338.58,1775.59 1338.58,2322.83 1429.13,2322.83 1429.13,2122.05 1448.82,2102.36 1456.69,2102.36 1456.69,2342.52 ; 1456.69,1279.53 1456.69,590.55 ccw(c1653.54,590.55) 1653.54,393.7 3070.87,393.7 ccw(c3070.87,590.55) 3267.72,590.55 3267.72,3346.46 ccw(c2362.2,3346.46) 1456.69,3346.46 1456.69,2698.23

## Other copper
Top Layer:
  pour cut-out: 2795.28,2192.91 2783.46,2181.1 2783.46,2116.54 2910,1990 2960,1990 2990,1960 2990,1900 3030,1860 3030,1830 3090,1770 3190,1770 3190,2130 3180,2140 2962.68,2140 2948.11,2154.57 2950,2156.46 2950,2192.91
  region net VCC3: 2460,2320 2480,2340 2480,2440 2510,2470 2540,2470 2540,2450 2530,2450 2510,2430 2510,2330 2540,2300 2460,2300
  region net VBUS: 2350,2380 2310,2420 2310,2460 2320,2470 2340,2470 2360,2450 2360,2390 2370,2380
  region net VCC3: 2550,2310 2570,2310 2590,2330 2640,2330 2640,2310.79 2629.21,2300 2610,2300 2570,2260 2550,2260
  region net VCC3: 2420,2350 2420,2230 2570,2230 2580,2240 2580,2300 2570,2310 2470,2310 2430,2350
  region net VBUS: 1731,2434.16 1771,2434.16 1776,2429.16 1776,2280 1836,2280 1836,2434.16 1821,2449.16 1731,2449.16
  region net VBUS: 1731,2606 1771,2606 1776,2611 1776,2656 1786,2666 1826,2666 1836,2656 1836,2606 1821,2591 1731,2591
  region net VBUS: 2280.64,3620.2 2221.22,3659.81 2299.56,3764.26 2327.89,3764.26 2344.56,3751.76 2344.56,3700.09
  region net VBUS: 2631.18,3429.53 2670.8,3488.95 2775.24,3410.62 2775.24,3382.28 2762.74,3365.62 2711.07,3365.62
  region net VBUS: 2440.69,3078.01 2500.11,3038.39 2421.78,2933.95 2393.44,2933.95 2376.78,2946.45 2376.78,2998.12
  region net VBUS: 2091.66,3274.67 2052.04,3215.25 1947.6,3293.58 1947.6,3321.92 1960.1,3338.58 2011.77,3338.58
  text "BY ANALOG DRAGON" at 2496.06,303.15 h40
Bottom Layer:
  pour cut-out: 3166.34,2165.35 3166.34,1000.98 2952.76,787.4 2086.61,787.4 1850.39,1023.62 1850.39,1929.13 2086.61,2165.35
  region net VBUS: 2110,3390 2160,3340 2260,3340 2280,3320 2280,3190 2160,3310 2110,3310
  region net VBUS: 2337.33,3630 2380,3630 2640,3370 2750,3370 2770,3390 2770,3420 2740,3450 2670,3450 2360,3760 2320,3760
  region net VBUS: 1930,3330 2240,3640 2240,3700 2300,3760 2340,3760 2360,3740 2360,3650 2120,3410 2120,3330
  region net VBUS: 2440,2960 2400,2960 2120,3240 2040,3240 2040,3340 2150,3340 2470,3020 2470,2990
  region net VBUS: 1760,2660 1760,3290 1810,3340 2050,3340 2080,3310 2080,3240 1901.23,3240 1840,3185.46 1840,2700 1880,2660
  region net VBUS: 1810,2680 2030,2680 2210,2500 2330,2500 2350,2480 2350,2410 2340,2400 2320,2400 2290,2430 2180,2430 1990,2620 1860,2620 1830,2590
  region net VBUS: 1760,2240 1780,2220 1830,2220 1840,2230 1840,2670 1830,2680 1780,2680 1760,2660
  region net VCC3: 3190,1810 3200,1800 3220,1800 3230,1810 3230,2240 3220,2250 3180,2250 3180,2210 3190,2200
  region net VCC3: 2460,2300 2450,2290 2450,2240 2480,2210 3230,2210 3230,2670 3190,2670 3190,2610 3160,2580 3160,2340 3120,2300

## Silkscreen, mask and mechanical layers (free items; w line width, h text height)
Top Overlay:
  circle w300: c2360,3350 r690
  text "JICJICJICJIC" at 1401.57,1822.83 h40 r90